# Altium PCB ZhuKong.PcbDoc (part 4 of 6) (continued)
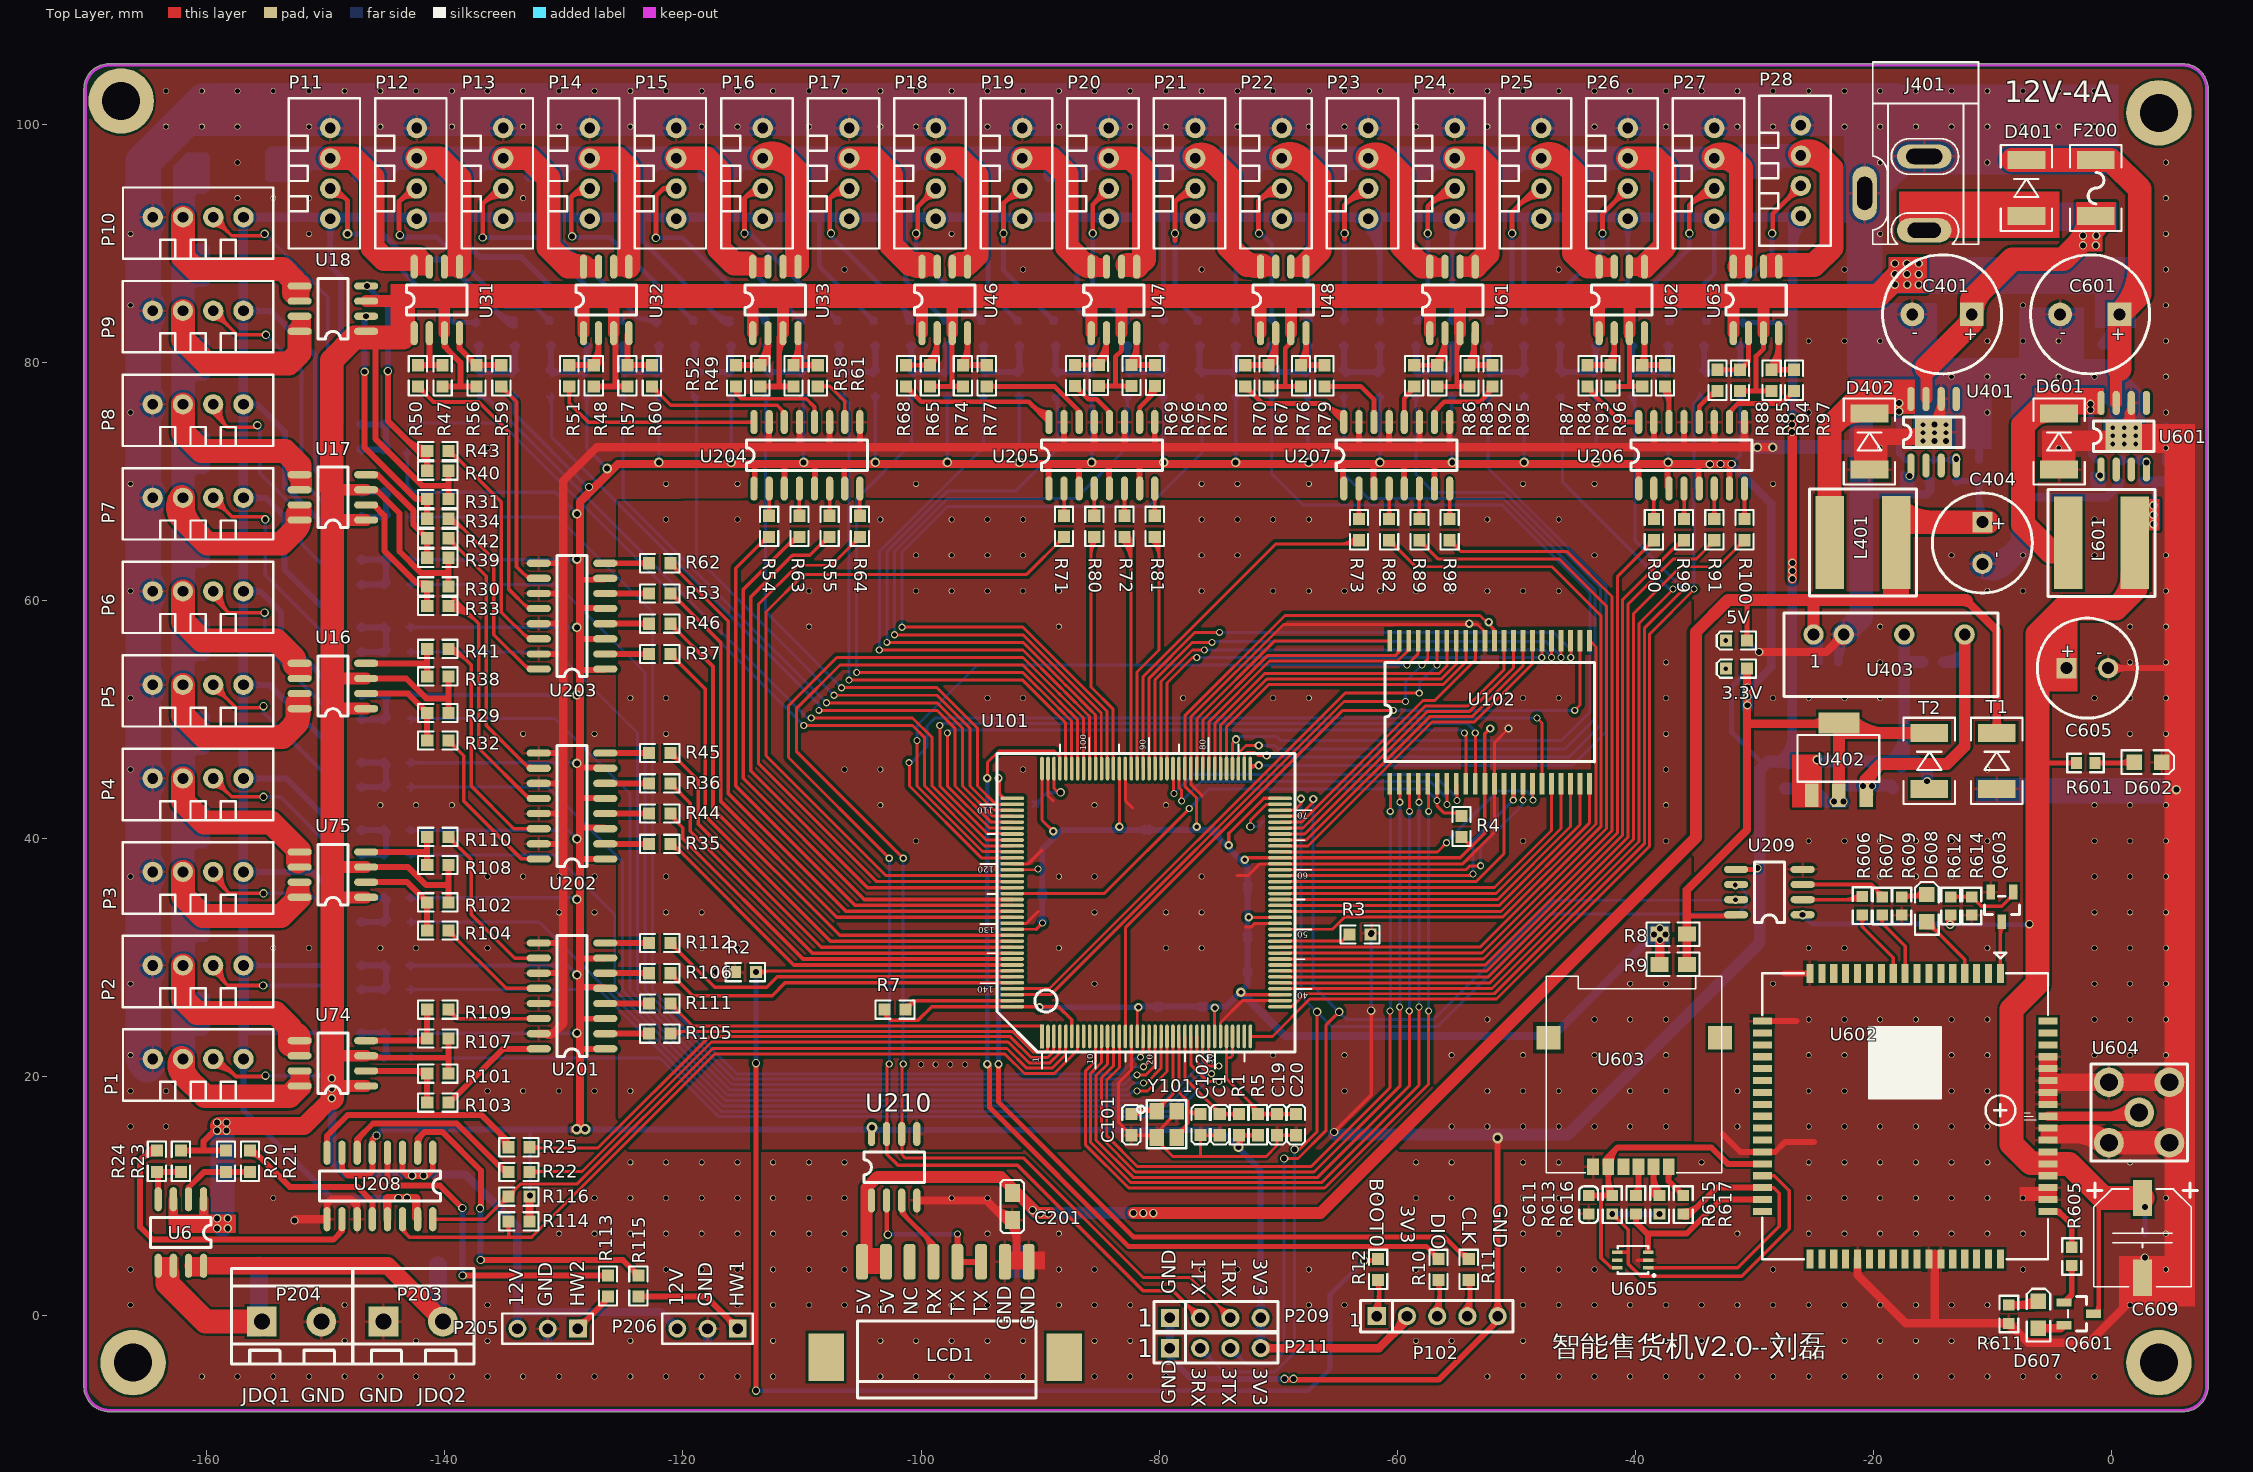
[diagram p0: Top Layer view]
## Nets (pads, with @x,y where several pads share a name; then routed paths per layer and width w, separated by ;. In a path a pad name is that pad's centre, name@x,y a point inside that pad or via, vN(x,y) a via of type N, cw(c..) or ccw(c..) an arc to the next point about the centre after c; other vN are vias at no path point) (continued)
NetR49_1: R49.1 R52.2 U33.2 | length 11.4
  Top Layer w0.5: R52.2@-115.54,79.797 R49.1@-113.505,79.797 -112.866,80.436 U33.2@-112.866,82.489 ; R52.2@-115.357,79.614 cw(c-114.917,79.174) -114.917,79.797 cw(c-114.917,80.419) R52.2@-115.357,79.979 ; R49.1@-113.688,79.614 ccw(c-114.128,79.174) -114.128,79.797 ccw(c-114.128,80.419) -113.688,79.979 ccw(c-115.672,81.963) U33.2@-112.866,81.963 ; R49.1@-113.505,80.055 ccw(c-113.505,80.677) -113.065,80.237 ccw(c-112.625,79.797) R49.1@-113.247,79.797 ; R49.1@-113.334,79.625 ccw(c-114.464,80.756) -112.866,80.756
NetR50_1: R50.1 U203.12 | length 27.6
  Top Layer w0.3: R50.1@-142.273,77.661 cw(c-142.273,76.796) -141.662,77.407 cw(c-141.051,78.019) R50.1@-141.915,78.019 ; R50.1@-142.273,78.019 -140.962,76.708 -137.16,76.708 -134.62,74.168 -134.62,60.96 -133.01,59.35 U203.12@-132.113,59.35 ; -133.405,59.745 ccw(c-132.824,60.326) U203.12@-132.824,59.504
NetR51_1: R51.1 U204.16 | length 19.5
  Top Layer w0.3: R51.1@-129.807,77.765 cw(c-130.418,77.154) -129.554,77.154 cw(c-128.69,77.154) R51.1@-129.301,77.765 ; R51.1@-129.554,78.019 -129.554,76.62 -127.955,75.021 U204.16@-114.028,75.021 ; U204.16@-114.138,74.912 ccw(c-114.402,74.648) -114.402,75.021 ccw(c-114.402,75.395) U204.16@-114.138,75.131
NetR52_1: R52.1 U204.12 | length 12
  Top Layer w0.3: R52.1@-115.723,77.711 cw(c-115.915,77.389) -115.54,77.389 ; R52.1@-115.54,78.019 -115.54,77.389 ; R52.1@-115.49,77.988 ccw(c-114.986,77.675) -115.406,77.255 ; R52.1@-115.356,77.711 ccw(c-115.164,77.389) -115.54,77.389 ; R52.1@-115.235,77.83 ccw(c-114.656,77.47) -115.138,76.987 ; U204.12@-109.058,75.842 ccw(c-109.322,76.106) -108.948,76.106 ccw(c-108.574,76.106) U204.12@-108.839,75.842 ; U204.12@-108.948,75.021 -108.948,76.284 -109.652,76.987 -115.138,76.987 ; -115.54,77.389 -115.138,76.987
NetR53_2: R53.2 U203.6 | length 4.7
  Top Layer w0.5: U203.6@-126.525,60.62 R53.2@-122.842,60.62 ; R53.2@-123.024,60.437 ccw(c-123.465,59.997) -123.465,60.62 ccw(c-123.465,61.242) R53.2@-123.024,60.802
NetR54_2: R54.2 U204.2 | length 4.2
  Top Layer w0.3: R54.2@-113.011,67.401 ccw(c-113.622,68.012) -112.758,68.012 ccw(c-111.894,68.012) R54.2@-112.505,67.401 ; U204.2@-112.868,68.613 cw(c-113.132,68.348) -112.758,68.348 cw(c-112.384,68.348) U204.2@-112.649,68.613 ; R54.2@-112.758,67.147 U204.2@-112.758,69.433
NetR55_2: R55.2 U204.6 | length 4.2
  Top Layer w0.3: R55.2@-107.931,67.401 ccw(c-108.542,68.012) -107.678,68.012 ccw(c-106.814,68.012) R55.2@-107.425,67.401 ; U204.6@-107.788,68.613 cw(c-108.052,68.348) -107.678,68.348 cw(c-107.304,68.348) U204.6@-107.569,68.613 ; R55.2@-107.678,67.147 U204.6@-107.678,69.433
NetR56_1: R56.1 R59.2 U31.4 | length 8.3
  Top Layer w0.5: U31.4@-138.768,82.489 -138.768,81.219 R56.1@-137.345,79.797 R59.2@-135.263,79.797 ; R56.1@-137.603,79.797 ccw(c-138.226,79.797) -137.786,80.237 ccw(c-137.345,80.677) R56.1@-137.345,80.055 ; R56.1@-137.163,79.614 cw(c-136.723,79.174) -136.723,79.797 cw(c-136.723,80.419) R56.1@-137.163,79.979 ; R59.2@-135.445,79.614 ccw(c-135.885,79.174) -135.885,79.797 ccw(c-135.885,80.419) R59.2@-135.445,79.979
NetR57_1: R57.1 R60.2 U32.4 | length 8
  Top Layer w0.5: R57.1@-124.857,79.979 ccw(c-125.298,80.419) -124.675,80.419 ccw(c-124.052,80.419) -124.493,79.979 ccw(c-124.052,80.419) -124.052,79.797 ccw(c-124.052,79.174) R57.1@-124.493,79.614 ; -124.675,81.336 cw(c-124.105,81.336) U32.4@-124.508,81.739 ; U32.4@-124.675,82.361 R57.1@-124.675,79.797 R60.2@-122.617,79.797 ; R60.2@-122.799,79.614 ccw(c-123.239,79.174) -123.239,79.797 ccw(c-123.239,80.419) R60.2@-122.799,79.979
NetR58_1: R58.1 R61.2 U33.4 | length 8
  Top Layer w0.5: R58.1@-110.892,79.979 ccw(c-112.257,81.344) -110.326,81.344 ; R58.1@-110.538,79.625 ccw(c-111.05,80.137) R58.1@-110.326,80.137 ; R58.1@-110.527,79.614 cw(c-110.086,79.174) -110.086,79.797 cw(c-110.086,80.419) R58.1@-110.527,79.979 ; R58.1@-110.326,79.797 R61.2@-108.675,79.797 ; R58.1@-110.326,80.18 U33.4@-110.326,82.489 ; R61.2@-108.858,79.614 ccw(c-109.298,79.174) -109.298,79.797 ccw(c-109.298,80.419) R61.2@-108.858,79.979
NetR59_1: R59.1 U203.10 | length 20
  Top Layer w0.3: R59.1@-135.263,77.661 cw(c-135.263,76.796) -134.651,77.407 cw(c-134.04,78.019) R59.1@-134.905,78.019 ; R59.1@-135.263,78.019 -133.985,76.741 -133.985,62.865 -133.01,61.89 U203.10@-132.113,61.89 ; -133.405,62.285 ccw(c-132.824,62.866) U203.10@-132.824,62.044
NetR60_1: R60.1 U204.14 | length 14.7
  Top Layer w0.3: R60.1@-122.617,77.661 cw(c-122.617,76.796) -122.005,77.407 cw(c-121.394,78.019) R60.1@-122.259,78.019 ; R60.1@-122.617,78.019 -121.027,76.429 -112.09,76.429 -111.488,75.827 U204.14@-111.488,75.021 ; -111.819,76.157 cw(c-112.244,75.733) U204.14@-111.643,75.733
NetR61_1: R61.1 U204.10 | length 6.5
  Top Layer w0.3: R61.1@-108.675,78.019 -107.66,78.019 -106.408,76.766 U204.10@-106.408,75.021 ; R61.1@-108.422,77.765 cw(c-107.811,77.154) -107.811,78.019 cw(c-107.811,78.883) R61.1@-108.422,78.272 ; U204.10@-106.518,75.842 ccw(c-106.782,76.106) -106.408,76.106 ccw(c-106.034,76.106) U204.10@-106.299,75.842
NetR62_2: R62.2 U203.8 | length 4.7
  Top Layer w0.5: U203.8@-126.525,63.16 R62.2@-122.842,63.16 ; R62.2@-123.024,62.977 ccw(c-123.465,62.537) -123.465,63.16 ccw(c-123.465,63.782) R62.2@-123.024,63.342
NetR63_2: R63.2 U204.4 | length 4.2
  Top Layer w0.3: R63.2@-110.471,67.401 ccw(c-111.082,68.012) -110.218,68.012 ccw(c-109.354,68.012) R63.2@-109.965,67.401 ; U204.4@-110.328,68.613 cw(c-110.592,68.348) -110.218,68.348 cw(c-109.844,68.348) U204.4@-110.109,68.613 ; R63.2@-110.218,67.147 U204.4@-110.218,69.433
NetR64_2: R64.2 U204.8 | length 4.2
  Top Layer w0.3: R64.2@-105.391,67.401 ccw(c-106.002,68.012) -105.138,68.012 ccw(c-104.274,68.012) R64.2@-104.885,67.401 ; U204.8@-105.248,68.613 cw(c-105.512,68.348) -105.138,68.348 cw(c-104.764,68.348) U204.8@-105.029,68.613 ; R64.2@-105.138,67.147 U204.8@-105.138,69.433
NetR65_1: R65.1 R68.2 U46.2 | length 12.2
  Top Layer w0.4: R68.2@-101.271,79.797 R65.1@-99.261,79.797 -98.645,80.413 U46.2@-98.645,82.489 ; R68.2@-101.053,79.579 cw(c-100.527,79.053) -100.527,79.797 cw(c-100.527,80.54) R68.2@-101.053,80.014 ; R65.1@-99.479,79.579 ccw(c-100.005,79.053) -100.005,79.797 ccw(c-100.005,80.54) -99.479,80.014 ccw(c-101.492,82.027) U46.2@-98.645,82.027 ; R65.1@-99.261,80.105 ccw(c-99.261,80.848) -98.735,80.322 ccw(c-98.21,79.797) R65.1@-98.953,79.797 ; R65.1@-99.196,79.732 ccw(c-100.526,81.062) -98.645,81.062
NetR66_1: R66.1 R69.2 U47.2 | length 12.3
  Top Layer w0.4: R69.2@-87.053,79.822 R66.1@-85.068,79.822 -84.424,80.465 U47.2@-84.424,82.489 ; R69.2@-86.836,79.604 cw(c-86.31,79.078) -86.31,79.822 cw(c-86.31,80.566) R69.2@-86.836,80.04 ; R66.1@-85.286,79.604 ccw(c-85.812,79.078) -85.812,79.822 ccw(c-85.812,80.566) -85.286,80.04 ccw(c-87.365,82.119) U47.2@-84.424,82.119 ; R66.1@-85.068,80.13 ccw(c-85.068,80.874) -84.542,80.348 ccw(c-84.016,79.822) R66.1@-84.76,79.822 ; R66.1@-85.003,79.757 ccw(c-86.399,81.153) -84.424,81.153
NetR67_1: R67.1 R70.2 U48.2 | length 11.1
  Top Layer w0.5: R70.2@-72.76,79.797 R67.1@-70.798,79.797 -70.204,80.391 U48.2@-70.204,82.489 ; R70.2@-72.577,79.614 cw(c-72.137,79.174) -72.137,79.797 cw(c-72.137,80.419) R70.2@-72.577,79.979 ; R67.1@-70.981,79.614 ccw(c-71.421,79.174) -71.421,79.797 ccw(c-71.421,80.419) -70.981,79.979 ccw(c-72.857,81.855) U48.2@-70.204,81.855 ; R67.1@-70.798,80.055 ccw(c-70.798,80.677) -70.358,80.237 ccw(c-69.918,79.797) R67.1@-70.54,79.797 ; R67.1@-70.627,79.625 ccw(c-71.65,80.648) -70.204,80.648
NetR68_1: R68.1 U205.16 | length 16.8
  Top Layer w0.4: R68.1@-101.271,77.711 cw(c-101.271,76.967) -100.745,77.493 cw(c-100.219,78.019) R68.1@-100.963,78.019 ; R68.1@-101.271,78.019 -99.986,76.733 -90.967,76.733 U205.16@-89.255,75.021 ; -90.648,76.414 ccw(c-89.255,77.807) U205.16@-89.255,75.837 ; -89.965,75.732 ccw(c-89.255,76.442) U205.16@-89.255,75.437 ; U205.16@-89.282,75.049 ccw(c-89.255,75.076) U205.16@-89.255,75.037
NetR69_1: R69.1 U205.12 | length 6.3
  Top Layer w0.4: R69.1@-87.053,77.736 cw(c-87.053,76.992) -86.528,77.518 cw(c-86.002,78.044) R69.1@-86.745,78.044 ; R69.1@-87.053,78.044 -85.946,76.937 -85.242,76.937 -84.175,75.869 U205.12@-84.175,75.021 ; -84.45,76.144 cw(c-84.862,75.733) U205.12@-84.28,75.733
NetR70_1: R70.1 U207.16 | length 13.1
  Top Layer w0.4: R70.1@-72.76,77.711 cw(c-72.76,76.967) -72.234,77.493 cw(c-71.708,78.019) R70.1@-72.452,78.019 ; R70.1@-72.76,78.019 -71.322,76.581 -66.041,76.581 U207.16@-64.481,75.021 ; -65.874,76.414 ccw(c-64.481,77.807) U207.16@-64.481,75.837 ; -65.191,75.732 ccw(c-64.481,76.442) U207.16@-64.481,75.437 ; U207.16@-64.509,75.049 ccw(c-64.481,75.076) U207.16@-64.481,75.037
NetR71_2: R71.2 U205.2 | length 4.2
  Top Layer w0.3: R71.2@-88.238,67.401 ccw(c-88.849,68.012) -87.985,68.012 ccw(c-87.12,68.012) R71.2@-87.732,67.401 ; U205.2@-88.094,68.613 cw(c-88.358,68.348) -87.985,68.348 cw(c-87.611,68.348) U205.2@-87.875,68.613 ; R71.2@-87.985,67.147 U205.2@-87.985,69.433
NetR72_2: R72.2 U205.6 | length 4.2
  Top Layer w0.3: R72.2@-83.158,67.401 ccw(c-83.769,68.012) -82.905,68.012 ccw(c-82.04,68.012) R72.2@-82.652,67.401 ; U205.6@-83.014,68.613 cw(c-83.278,68.348) -82.905,68.348 cw(c-82.531,68.348) U205.6@-82.795,68.613 ; R72.2@-82.905,67.147 U205.6@-82.905,69.433
NetR73_2: R73.2 U207.2 | length 4.5
  Top Layer w0.3: R73.2@-63.464,67.121 ccw(c-64.076,67.732) -63.211,67.732 ccw(c-62.347,67.732) R73.2@-62.958,67.121 ; U207.2@-63.321,68.613 cw(c-63.585,68.348) -63.211,68.348 cw(c-62.838,68.348) U207.2@-63.102,68.613 ; R73.2@-63.211,66.868 U207.2@-63.211,69.433
NetR74_1: R74.1 R77.2 U46.4 | length 8
  Top Layer w0.5: R74.1@-96.672,79.979 ccw(c-98.081,81.388) -96.088,81.388 ; R74.1@-96.318,79.625 ccw(c-96.874,80.181) R74.1@-96.088,80.181 ; R74.1@-96.307,79.614 cw(c-95.867,79.174) -95.867,79.797 cw(c-95.867,80.419) R74.1@-96.307,79.979 ; U46.4@-96.088,82.065 -96.088,79.797 R77.2@-94.48,79.797 ; R77.2@-94.662,79.614 ccw(c-95.103,79.174) -95.103,79.797 ccw(c-95.103,80.419) R77.2@-94.662,79.979
NetR75_1: R75.1 R78.2 U47.4 | length 9.2
  Top Layer w0.5: R75.1@-82.503,80.004 ccw(c-83.996,81.498) U47.4@-81.884,81.498 ; R75.1@-82.149,79.651 ccw(c-82.789,80.29) R75.1@-81.884,80.29 ; R75.1@-82.138,79.64 cw(c-81.698,79.199) -81.698,79.822 cw(c-81.698,80.445) R75.1@-82.138,80.004 ; U47.4@-81.884,82.489 -81.884,80.258 R75.1@-82.321,79.822 R78.2@-80.335,79.822 ; R78.2@-80.518,79.64 ccw(c-80.958,79.199) -80.958,79.822 ccw(c-80.958,80.445) R78.2@-80.518,80.004
NetR76_1: R76.1 R79.2 U48.4 | length 9
  Top Layer w0.5: R76.1@-68.258,79.979 ccw(c-69.692,81.413) -67.664,81.413 ; R76.1@-67.904,79.625 ccw(c-68.485,80.206) R76.1@-67.664,80.206 ; R76.1@-67.893,79.614 cw(c-67.453,79.174) -67.453,79.797 cw(c-67.453,80.419) R76.1@-67.893,79.979 ; U48.4@-67.664,82.489 -67.664,80.208 R76.1@-68.075,79.797 R79.2@-66.114,79.797 ; R79.2@-66.297,79.614 ccw(c-66.737,79.174) -66.737,79.797 ccw(c-66.737,80.419) R79.2@-66.297,79.979
NetR77_1: R77.1 U205.14 | length 11.3
  Top Layer w0.4: R77.1@-94.48,78.019 -88.788,78.019 -86.715,75.945 U205.14@-86.715,75.021 ; R77.1@-94.262,77.801 cw(c-93.736,77.275) -93.736,78.019 cw(c-93.736,78.762) R77.1@-94.262,78.236 ; -87.044,76.274 cw(c-87.586,75.733) U205.14@-86.82,75.733
NetR78_1: R78.1 U205.10 | length 5.8
  Top Layer w0.4: U205.10@-81.635,75.021 -81.635,76.252 -80.335,77.551 R78.1@-80.335,78.044 ; -81.209,76.677 ccw(c-82.576,78.044) R78.1@-80.643,78.044 ; -80.526,77.36 ccw(c-81.211,78.044) R78.1@-80.243,78.044
NetR79_1: R79.1 U207.14 | length 7.7
  Top Layer w0.4: R79.1@-66.114,78.019 -63.058,78.019 -61.941,76.902 U207.14@-61.941,75.021 ; R79.1@-65.896,77.801 cw(c-65.371,77.275) -65.371,78.019 cw(c-65.371,78.762) R79.1@-65.896,78.236
NetR80_2: R80.2 U205.4 | length 4.2
  Top Layer w0.3: R80.2@-85.698,67.401 ccw(c-86.309,68.012) -85.445,68.012 ccw(c-84.58,68.012) R80.2@-85.192,67.401 ; U205.4@-85.554,68.613 cw(c-85.818,68.348) -85.445,68.348 cw(c-85.071,68.348) U205.4@-85.335,68.613 ; R80.2@-85.445,67.147 U205.4@-85.445,69.433
NetR81_2: R81.2 U205.8 | length 4.2
  Top Layer w0.3: R81.2@-80.618,67.401 ccw(c-81.229,68.012) -80.365,68.012 ccw(c-79.5,68.012) R81.2@-80.112,67.401 ; U205.8@-80.474,68.613 cw(c-80.738,68.348) -80.365,68.348 cw(c-79.991,68.348) U205.8@-80.255,68.613 ; R81.2@-80.365,67.147 U205.8@-80.365,69.433
NetR82_2: R82.2 U207.4 | length 4.5
  Top Layer w0.3: R82.2@-60.924,67.121 ccw(c-61.536,67.732) -60.671,67.732 ccw(c-59.807,67.732) R82.2@-60.418,67.121 ; U207.4@-60.781,68.613 cw(c-61.045,68.348) -60.671,68.348 cw(c-60.298,68.348) U207.4@-60.562,68.613 ; R82.2@-60.671,66.868 U207.4@-60.671,69.433
NetR83_1: R83.1 R86.2 U61.2 | length 12.3
  Top Layer w0.4: R86.2@-58.567,79.797 R83.1@-56.631,79.797 -55.983,80.444 U61.2@-55.983,82.489 ; R86.2@-58.35,79.579 cw(c-57.824,79.053) -57.824,79.797 cw(c-57.824,80.54) R86.2@-58.35,80.014 ; R83.1@-56.848,79.579 ccw(c-57.374,79.053) -57.374,79.797 ccw(c-57.374,80.54) -56.848,80.014 ccw(c-58.938,82.104) U61.2@-55.983,82.104 ; R83.1@-56.631,80.105 ccw(c-56.631,80.848) -56.105,80.322 ccw(c-55.579,79.797) R83.1@-56.323,79.797 ; R83.1@-56.565,79.732 ccw(c-57.972,81.138) -55.983,81.138
NetR84_1: R84.1 R87.2 U62.2 | length 8
  Top Layer w0.5: R87.2@-43.994,79.797 R84.1@-42.082,79.797 -41.762,80.116 U62.2@-41.762,82.489 ; R87.2@-43.812,79.614 cw(c-43.371,79.174) -43.371,79.797 cw(c-43.371,80.419) R87.2@-43.812,79.979 ; R84.1@-42.264,79.614 ccw(c-42.705,79.174) -42.705,79.797 ccw(c-42.705,80.419) -42.264,79.979 ccw(c-43.476,81.191) -41.762,81.191
NetR85_1: R85.1 R88.2 U63.2 | length 8.8
  Top Layer w0.4: R88.2@-33.078,79.416 R85.1@-31.19,79.416 -30.488,80.118 U63.2@-30.488,82.489 ; R88.2@-32.861,79.198 cw(c-32.335,78.672) -32.335,79.416 cw(c-32.335,80.159) R88.2@-32.861,79.633 ; R85.1@-31.408,79.198 ccw(c-31.934,78.672) -31.934,79.416 ccw(c-31.934,80.159) R85.1@-31.408,79.633 ; R85.1@-31.19,79.724 ccw(c-31.19,80.467) -30.665,79.941 ccw(c-30.139,79.416) R85.1@-30.882,79.416
NetR86_1: R86.1 U207.12 | length 4.2
  Top Layer w0.4: U207.12@-59.401,75.021 -59.401,77.022 -58.567,77.856 R86.1@-58.567,78.019 ; -59.208,77.215 ccw(c-60.011,78.019) R86.1@-58.875,78.019
NetR87_1: R87.1 U206.16 | length 6.9
  Top Layer w0.4: R87.1@-43.974,77.806 -41.189,75.021 U206.16@-39.708,75.021 ; R87.1@-43.686,78.019 ccw(c-42.48,78.019) -43.333,77.165
  Top Layer w0.5: R87.1@-43.994,78.019 -44.206,77.806 R87.1@-43.974,77.806
NetR88_1: R88.1 U206.12 | length 4.5
  Top Layer w0.4: U206.12@-34.628,75.021 -34.628,76.345 -33.335,77.638 R88.1@-33.078,77.638 ; -34.042,76.93 cw(c-33.078,75.967) R88.1@-33.078,77.33
NetR89_2: R89.2 U207.6 | length 4.5
  Top Layer w0.3: R89.2@-58.384,67.121 ccw(c-58.996,67.732) -58.131,67.732 ccw(c-57.267,67.732) R89.2@-57.878,67.121 ; U207.6@-58.241,68.613 cw(c-58.505,68.348) -58.131,68.348 cw(c-57.758,68.348) U207.6@-58.022,68.613 ; R89.2@-58.131,66.868 U207.6@-58.131,69.433
NetR90_2: R90.2 U206.2 | length 4.5
  Top Layer w0.3: R90.2@-38.691,67.121 ccw(c-39.302,67.732) -38.438,67.732 ccw(c-37.574,67.732) R90.2@-38.185,67.121 ; U206.2@-38.547,68.613 cw(c-38.812,68.348) -38.438,68.348 cw(c-38.064,68.348) U206.2@-38.328,68.613 ; R90.2@-38.438,66.868 U206.2@-38.438,69.433
NetR91_2: R91.2 U206.6 | length 4.5
  Top Layer w0.3: R91.2@-33.611,67.121 ccw(c-34.222,67.732) -33.358,67.732 ccw(c-32.494,67.732) R91.2@-33.105,67.121 ; U206.6@-33.467,68.613 cw(c-33.732,68.348) -33.358,68.348 cw(c-32.984,68.348) U206.6@-33.248,68.613 ; R91.2@-33.358,66.868 U206.6@-33.358,69.433
NetR92_1: R92.1 R95.2 U61.4 | length 9
  Top Layer w0.5: R92.1@-54.114,79.979 ccw(c-55.53,81.394) -53.528,81.394 ; R92.1@-53.932,79.797 R92.1@-53.528,79.797 ; R92.1@-53.761,79.625 ccw(c-54.322,80.187) R92.1@-53.528,80.187 ; R92.1@-53.749,79.614 cw(c-53.309,79.174) -53.309,79.797 cw(c-53.309,80.419) R92.1@-53.749,79.979 ; -53.528,81.44 cw(c-53.105,81.44) U61.4@-53.404,81.739 ; U61.4@-53.528,82.404 R92.1@-53.528,79.797 ; R95.2@-52.177,79.614 ccw(c-52.618,79.174) -52.618,79.797 ccw(c-52.618,80.419) R95.2@-52.177,79.979 ; R95.2@-51.995,79.797 R92.1@-53.528,79.797
NetR93_1: R93.1 R96.2 U62.4 | length 7.4
  Top Layer w0.5: R93.1@-39.59,79.979 ccw(c-40.477,80.867) -39.222,80.867 ; R93.1@-39.407,79.797 R96.2@-37.495,79.797 ; R93.1@-39.225,79.614 cw(c-38.784,79.174) -38.784,79.797 cw(c-38.784,80.419) R93.1@-39.225,79.979 ; R93.1@-39.222,79.982 U62.4@-39.222,82.489 ; R96.2@-37.677,79.614 ccw(c-38.118,79.174) -38.118,79.797 ccw(c-38.118,80.419) R96.2@-37.677,79.979
NetR94_1: R94.1 R97.2 U63.4 | length 11
  Top Layer w0.5: R94.1@-28.723,79.598 ccw(c-30.594,81.469) -27.948,81.469 ; R94.1@-28.54,79.416 R97.2@-26.652,79.416 ; R94.1@-28.456,79.499 -27.948,79.499 ; R94.1@-28.369,79.244 ccw(c-29.387,80.262) -27.948,80.262 ; R94.1@-28.358,79.233 cw(c-27.917,78.793) -27.917,79.416 cw(c-27.917,80.038) R94.1@-28.358,79.598 ; R94.1@-28.317,79.286 cw(c-27.948,79.073) -27.948,79.499 ; U63.4@-27.948,82.489 -27.948,79.499 ; R97.2@-26.835,79.233 ccw(c-27.275,78.793) -27.275,79.416 ccw(c-27.275,80.038) R97.2@-26.835,79.598
NetR95_1: R95.1 U207.10 | length 8.3
  Top Layer w0.4: U207.10@-56.861,75.021 -56.861,75.905 -56.032,76.733 -53.035,76.733 -51.995,77.774 R95.1@-51.995,78.019 ; U207.10@-56.756,75.733 cw(c-56.088,75.733) -56.561,76.205 ; -52.694,77.074 ccw(c-53.638,78.019) R95.1@-52.303,78.019
NetR96_1: R96.1 U206.14 | length 5.3
  Top Layer w0.4: R96.1@-37.713,77.801 cw(c-39.028,76.486) -37.168,76.486 ; R96.1@-37.495,78.019 -37.168,77.692 U206.14@-37.168,75.021 ; R96.1@-37.43,78.084 cw(c-38.062,77.451) -37.168,77.451
NetR97_1: R97.1 U206.10 | length 7.7
  Top Layer w0.4: U206.10@-32.08,75.844 -31.344,76.581 -27.709,76.581 R97.1@-26.652,77.638 ; U206.10@-31.983,75.733 cw(c-31.478,75.733) -31.835,76.089 ; R97.1@-26.96,77.638 cw(c-27.704,77.638) -27.178,77.112 cw(c-26.652,76.586) R97.1@-26.652,77.33
NetR98_2: R98.2 U207.8 | length 4.5
  Top Layer w0.3: R98.2@-55.844,67.121 ccw(c-56.456,67.732) -55.591,67.732 ccw(c-54.727,67.732) R98.2@-55.338,67.121 ; U207.8@-55.701,68.613 cw(c-55.965,68.348) -55.591,68.348 cw(c-55.218,68.348) U207.8@-55.482,68.613 ; R98.2@-55.591,66.868 U207.8@-55.591,69.433
NetR99_2: R99.2 U206.4 | length 4.5
  Top Layer w0.3: R99.2@-36.151,67.121 ccw(c-36.762,67.732) -35.898,67.732 ccw(c-35.034,67.732) R99.2@-35.645,67.121 ; U206.4@-36.007,68.613 cw(c-36.272,68.348) -35.898,68.348 cw(c-35.524,68.348) U206.4@-35.788,68.613 ; R99.2@-35.898,66.868 U206.4@-35.898,69.433
NetR100_2: R100.2 U206.8 | length 4.5
  Top Layer w0.3: R100.2@-31.071,67.121 ccw(c-31.682,67.732) -30.818,67.732 ccw(c-29.954,67.732) R100.2@-30.565,67.121 ; U206.8@-30.927,68.613 cw(c-31.192,68.348) -30.818,68.348 cw(c-30.444,68.348) U206.8@-30.708,68.613 ; R100.2@-30.818,66.868 U206.8@-30.818,69.433
NetR101_1: R101.1 R103.2 U74.2 | length 10.7
  Top Layer w0.5: U74.2@-146.616,20.513 -141.717,20.513 R101.1@-141.486,20.281 R103.2@-141.486,17.846 ; -142.668,20.513 cw(c-142.668,19.099) -141.668,20.099 cw(c-142.108,19.658) -141.486,19.658 cw(c-140.863,19.658) R101.1@-141.303,20.099 ; R103.2@-141.668,18.029 ccw(c-142.108,18.469) -141.486,18.469 ccw(c-140.863,18.469) R103.2@-141.303,18.029
NetR102_1: R102.1 R104.2 U75.2 | length 11.1
  Top Layer w0.5: U75.2@-146.616,36.363 -143.177,36.363 R102.1@-141.486,34.672 R104.2@-141.486,32.299 ; R102.1@-141.744,34.672 ccw(c-142.366,34.672) -141.926,35.112 ccw(c-141.486,35.552) R102.1@-141.486,34.93 ; R104.2@-141.668,32.482 ccw(c-142.108,32.922) -141.486,32.922 ccw(c-140.863,32.922) R104.2@-141.303,32.482 ; R102.1@-141.668,34.489 cw(c-142.108,34.049) -141.486,34.049 cw(c-140.863,34.049) R102.1@-141.303,34.489
NetR103_1: R103.1 U201.16 | length 10.1
  Top Layer w0.5: R103.1@-139.708,17.846 -139.634,17.846 -135.113,22.367 U201.16@-132.113,22.367 ; R103.1@-139.708,18.104 ccw(c-139.708,18.906) -139.141,18.339
NetR104_1: R104.1 U201.12 | length 11.5
  Top Layer w0.3: R104.1@-139.708,31.941 cw(c-139.708,31.077) -139.096,31.688 cw(c-138.485,32.299) R104.1@-139.35,32.299 ; R104.1@-139.708,32.299 -134.856,27.447 U201.12@-132.113,27.447 ; U201.12@-132.934,27.338 ccw(c-133.198,27.073) -133.198,27.447 ccw(c-133.198,27.821) U201.12@-132.934,27.557
NetR105_2: R105.2 U201.2 | length 4.7
  Top Layer w0.5: U201.2@-126.525,23.637 R105.2@-122.842,23.637 ; R105.2@-123.024,23.455 ccw(c-123.465,23.014) -123.465,23.637 ccw(c-123.465,24.26) R105.2@-123.024,23.82
NetR106_2: R106.2 U201.6 | length 4.7
  Top Layer w0.5: U201.6@-126.525,28.717 R106.2@-122.842,28.717 ; R106.2@-123.024,28.535 ccw(c-123.465,28.094) -123.465,28.717 ccw(c-123.465,29.34) R106.2@-123.024,28.9
NetR107_1: R107.1 R109.2 U74.4 | length 10.5
  Top Layer w0.5: U74.4@-146.616,23.053 -141.657,23.053 R107.1@-141.486,23.224 R109.2@-141.486,25.659 ; -142.522,23.053 ccw(c-142.522,24.261) -141.668,23.407 ccw(c-142.108,23.847) -141.486,23.847 ccw(c-140.863,23.847) R107.1@-141.303,23.407 ; R109.2@-141.668,25.477 cw(c-142.108,25.036) -141.486,25.036 cw(c-140.863,25.036) R109.2@-141.303,25.477
NetR108_1: R108.1 R110.2 U75.4 | length 9.4
  Top Layer w0.5: U75.4@-146.616,38.903 -141.575,38.903 ; R108.1@-141.668,37.988 ccw(c-142.108,38.429) -141.486,38.429 ccw(c-140.863,38.429) R108.1@-141.303,37.988 ; R110.2@-141.668,39.996 cw(c-142.108,39.555) -141.486,39.555 cw(c-140.863,39.555) R110.2@-141.303,39.996 ; R108.1@-141.486,37.806 R110.2@-141.486,40.178
NetR109_1: R109.1 U201.14 | length 9.9
  Top Layer w0.3: R109.1@-139.708,25.301 cw(c-139.708,24.437) -139.096,25.048 cw(c-138.485,25.659) R109.1@-139.35,25.659 ; R109.1@-139.708,25.659 -138.955,24.907 U201.14@-132.113,24.907 ; U201.14@-132.934,24.798 ccw(c-133.198,24.533) -133.198,24.907 ccw(c-133.198,25.281) U201.14@-132.934,25.017
NetR110_1: R110.1 U201.10 | length 16.5
  Top Layer w0.3: R110.1@-139.708,39.82 cw(c-139.708,38.956) -139.096,39.567 cw(c-138.485,40.178) R110.1@-139.35,40.178 ; R110.1@-139.708,40.178 -137.795,38.266 -137.795,33.655 -134.127,29.987 U201.10@-132.113,29.987 ; U201.10@-132.934,29.878 ccw(c-133.198,29.613) -133.198,29.987 ccw(c-133.198,30.361) U201.10@-132.934,30.097
NetR111_2: R111.2 U201.4 | length 4.7
  Top Layer w0.5: U201.4@-126.525,26.177 R111.2@-122.842,26.177 ; R111.2@-123.024,25.995 ccw(c-123.465,25.554) -123.465,26.177 ccw(c-123.465,26.8) R111.2@-123.024,26.36
NetR112_2: R112.2 U201.8 | length 4.7
  Top Layer w0.5: U201.8@-126.525,31.257 R112.2@-122.842,31.257 ; R112.2@-123.024,31.075 ccw(c-123.465,30.634) -123.465,31.257 ccw(c-123.465,31.88) R112.2@-123.024,31.44
NetR113_2: R113.2 U208.4 | length 28.3
  Top Layer w0.5: U208.4@-144.831,13.64 -144.831,11.506 -144.196,10.871 -140.411,10.871 v2(-138.532,8.992) ; v2(-138.506,3.327) R113.2@-126.289,3.327 ; R113.2@-126.471,3.145 ccw(c-126.912,2.705) -126.912,3.327 ccw(c-126.912,3.95) R113.2@-126.471,3.51
  Bottom Layer w0.5: v2(-138.506,3.327) v2@-138.506,8.992
NetR115_2: R115.2 U208.2 | length 31.4
  Top Layer w0.5: U208.2@-142.291,13.64 -142.291,14.808 -141.707,15.392 -140.233,15.392 -136.982,12.141 -136.982,9.043 v2(-137.058,8.966) ; U208.2@-142.236,14.351 cw(c-141,14.351) -141.874,15.225 ; v2(-137,4.623) -125.044,4.623 R115.2@-123.749,3.327 ; R115.2@-124.007,3.327 ccw(c-124.63,3.327) -124.189,3.768 ccw(c-123.749,4.208) R115.2@-123.749,3.585
  Bottom Layer w0.5: v2(-137,4.623) v2@-137,8.984
NetR401_1: R401.1 R402.1 U401.4 | length 4.8
  Bottom Layer w0.3: R402.1@-15.215,71.806 -13.183,71.806 R401.1@-13.132,71.806 ; R402.1@-14.953,71.603 cw(c-14.464,71.115) -14.464,71.806 ; R402.1@-14.953,72.11 ccw(c-14.219,72.844) -14.219,71.806 ; -14.153,71.806 ccw(c-14.153,72.844) R401.1@-13.419,72.11 ; -13.907,71.806 cw(c-13.907,71.115) R401.1@-13.419,71.603
  other v2: -13.03,71.907
NetR602_1: R602.1 R603.1 U601.4 | length 4
  Bottom Layer w0.5: R603.1@0.762,71.806 R602.1@2.769,71.806 ; R603.1@0.878,71.623 cw(c1.318,71.183) 1.318,71.806 cw(c1.318,72.429) R603.1@0.878,71.988 ; R602.1@2.452,71.623 ccw(c2.012,71.183) 2.012,71.806 ccw(c2.012,72.429) R602.1@2.452,71.988
  other v2: 2.946,71.628
NetR615_1: R615.1 U603.6 | length 6.8
  Top Layer w0.5: U603.6@-38.632,12.069 cw(c-39.059,11.642) -38.456,11.642 cw(c-37.852,11.642) U603.6@-38.279,12.069 ; -38.456,10.504 ccw(c-37.516,10.504) R615.1@-38.18,9.839 ; -38.456,11.711 ccw(c-36.309,11.711) R615.1@-37.827,10.193 ; U603.6@-38.456,12.446 -38.456,10.543 R615.1@-37.954,10.041 ; R615.1@-38.364,10.451 cw(c-38.773,10.041) R615.1@-38.194,10.041 ; R615.1@-38.303,10.39 ccw(c-37.979,10.715) R615.1@-37.979,10.256
NetR616_1: R616.1 U603.2 | length 4.1
  Top Layer w0.5: R616.1@-40.069,10.193 ccw(c-40.896,11.021) -39.726,11.021 ; U603.2@-39.902,12.069 cw(c-40.329,11.642) -39.726,11.642 cw(c-39.122,11.642) U603.2@-39.549,12.069 ; R616.1@-39.726,10.257 U603.2@-39.726,12.446
NetR617_1: R617.1 U603.3 | length 4.7
  Top Layer w0.5: U603.3@-37.362,12.069 cw(c-37.789,11.642) -37.186,11.642 cw(c-36.582,11.642) U603.3@-37.009,12.069 ; U603.3@-37.186,12.446 -37.186,11.26 R617.1@-35.966,10.041 ; R617.1@-36.376,10.451 cw(c-36.786,10.041) R617.1@-36.206,10.041 ; R617.1@-36.316,10.39 ccw(c-35.991,10.715) R617.1@-35.991,10.256
OSC32_IN: U101.8 | length 0
  Top Layer w0.25: U101.8@-86.359,23.386 U101.8@-86.334,23.411
OSC32_OUT: U101.9 | length 0
  Top Layer w0.25: U101.9@-85.859,23.386 U101.9@-85.834,23.411
OSC_IN: C101.2 U101.23 Y101.1 | length 17.3
  Top Layer w0.25: C101.2@-82.412,16.964 cw(c-81.897,16.449) C101.2@-81.897,17.177 ; C101.2@-82.329,16.881 -82.033,17.177 -80.207,17.177 -78.834,18.55 U101.23@-78.834,23.411 ; C101.2@-82.235,16.787 cw(c-81.293,15.845) -81.293,17.177 ; C101.2@-82.058,16.61 cw(c-80.69,15.241) Y101.1@-80.69,17.177 ; -81.451,17.177 ccw(c-81.451,18.461) Y101.1@-80.543,17.553 ; -81.256,17.177 cw(c-81.256,16.168) Y101.1@-80.543,16.881 ; -81.006,17.104 cw(c-80.942,16.827) Y101.1@-80.667,16.898 ; -80.848,17.177 ccw(c-80.848,17.858) Y101.1@-80.366,17.376 ; Y101.1@-80.207,17.442 ccw(c-80.207,18.083) Y101.1@-79.754,17.63 ; Y101.1@-80.207,17.692 ccw(c-80.207,18.936) -79.327,18.057 ; Y101.1@-79.732,17.217 cw(c-78.683,17.217) -79.425,17.959
OSC_OUT: C102.2 U101.24 Y101.3 | length 14.1
  Top Layer w0.25: Y101.3@-78.507,15.167 -77.582,16.092 -77.582,17.043 ; Y101.3@-78.507,15.492 ccw(c-78.507,16.277) -77.952,15.722 ; U101.24@-78.334,23.411 -78.334,18.704 -77.582,17.952 -77.582,17.043 ; Y101.3@-78.282,15.017 cw(c-77.377,15.017) -78.017,15.657 ; Y101.3@-78.032,15.017 cw(c-76.523,15.017) -77.59,16.084 ; -77.079,17.043 cw(c-77.079,16.456) C102.2@-76.611,16.811 ; -77.062,17.043 ccw(c-77.062,17.448) C102.2@-76.776,17.162 ; C102.2@-76.81,16.66 ccw(c-77.582,16.075) -77.582,17.043 ; C102.2@-76.657,17.043 -77.582,17.043
PA0: U101.34
PA1: U101.35
PA2_FEED28: R583.1 U101.36 | length 81.3
  Top Layer w0.25: U101.36@-72.334,23.411 -70.468,23.411 -67.335,26.543 -51.65,26.543 -38.787,39.406 -38.787,57.225 v3@-35.052,60.96
  Bottom Layer w0.25: v3(-35.052,60.985) -35.052,76.606 R583.1@-34.392,77.267 ; -34.894,76.765 cw(c-34.201,76.072) R583.1@-34.201,77.051 ; -34.839,76.819 ccw(c-35.455,77.434) R583.1@-34.584,77.434
PA3_FEED27: R580.1 U101.37 | length 80
  Top Layer w0.25: U101.37@-69.834,25.911 -69.809,25.936 -68.788,25.936 ; U101.37@-68.984,25.936 ccw(c-68.984,26.411) -68.649,26.075 ; U101.37@-68.968,25.93 ccw(c-68.881,26.029) -68.788,25.936 ; v3@-36.093,60.833 -39.237,57.69 -39.237,39.592 -51.836,26.993 -67.522,26.993 -67.529,26.986 -67.738,26.986 -68.788,25.936
  Bottom Layer w0.25: R580.1@-40.528,77.164 cw(c-41.791,75.901) -40.005,75.901 ; R580.1@-40.351,77.34 cw(c-41.187,76.504) -40.005,76.504 ; R580.1@-40.005,77.546 -40.005,65.049 v3(-35.941,60.985)
PA4_FEED26: R577.1 U101.40 | length 80.2
  Top Layer w0.25: U101.40@-69.834,27.411 -69.809,27.436 -67.715,27.436 -67.708,27.443 -52.022,27.443 -39.687,39.779 -39.687,58.103 v3@-36.83,60.96
  Bottom Layer w0.25: R577.1@-46.584,77.164 cw(c-47.688,76.059) -46.126,76.059 ; R577.1@-46.407,77.34 cw(c-47.084,76.663) -46.126,76.663 ; R577.1@-46.126,76.96 cw(c-45.839,76.96) R577.1@-46.042,77.164 ; R577.1@-46.126,77.343 -46.126,70.002 -37.109,60.985 v3(-36.83,60.985)
PA5_CH28: R100.1 U101.41 | length 67
  Top Layer w0.25: U101.41@-69.834,27.911 -52.191,27.911 -40.155,39.946 -40.155,58.905 -36.195,62.865 -33.043,62.865 R100.1@-30.818,65.09 ; R100.1@-31.201,65.09 cw(c-32.125,65.09) -31.472,64.436 cw(c-30.818,63.782) R100.1@-30.818,64.707